# Altium PCB MB1191.PcbDoc (part 4 of 7)
Units mm, origin at the board's own origin, x right, y up, seen from the top; angles counter-clockwise.
Board outline 130 x 80 mm, 8 copper layers (Top, F2, F3, F4, F5, F6, F7, Bottom), stack 1.115 mm thick; 358 components, 347 nets, 1452 pads, 1074 vias.
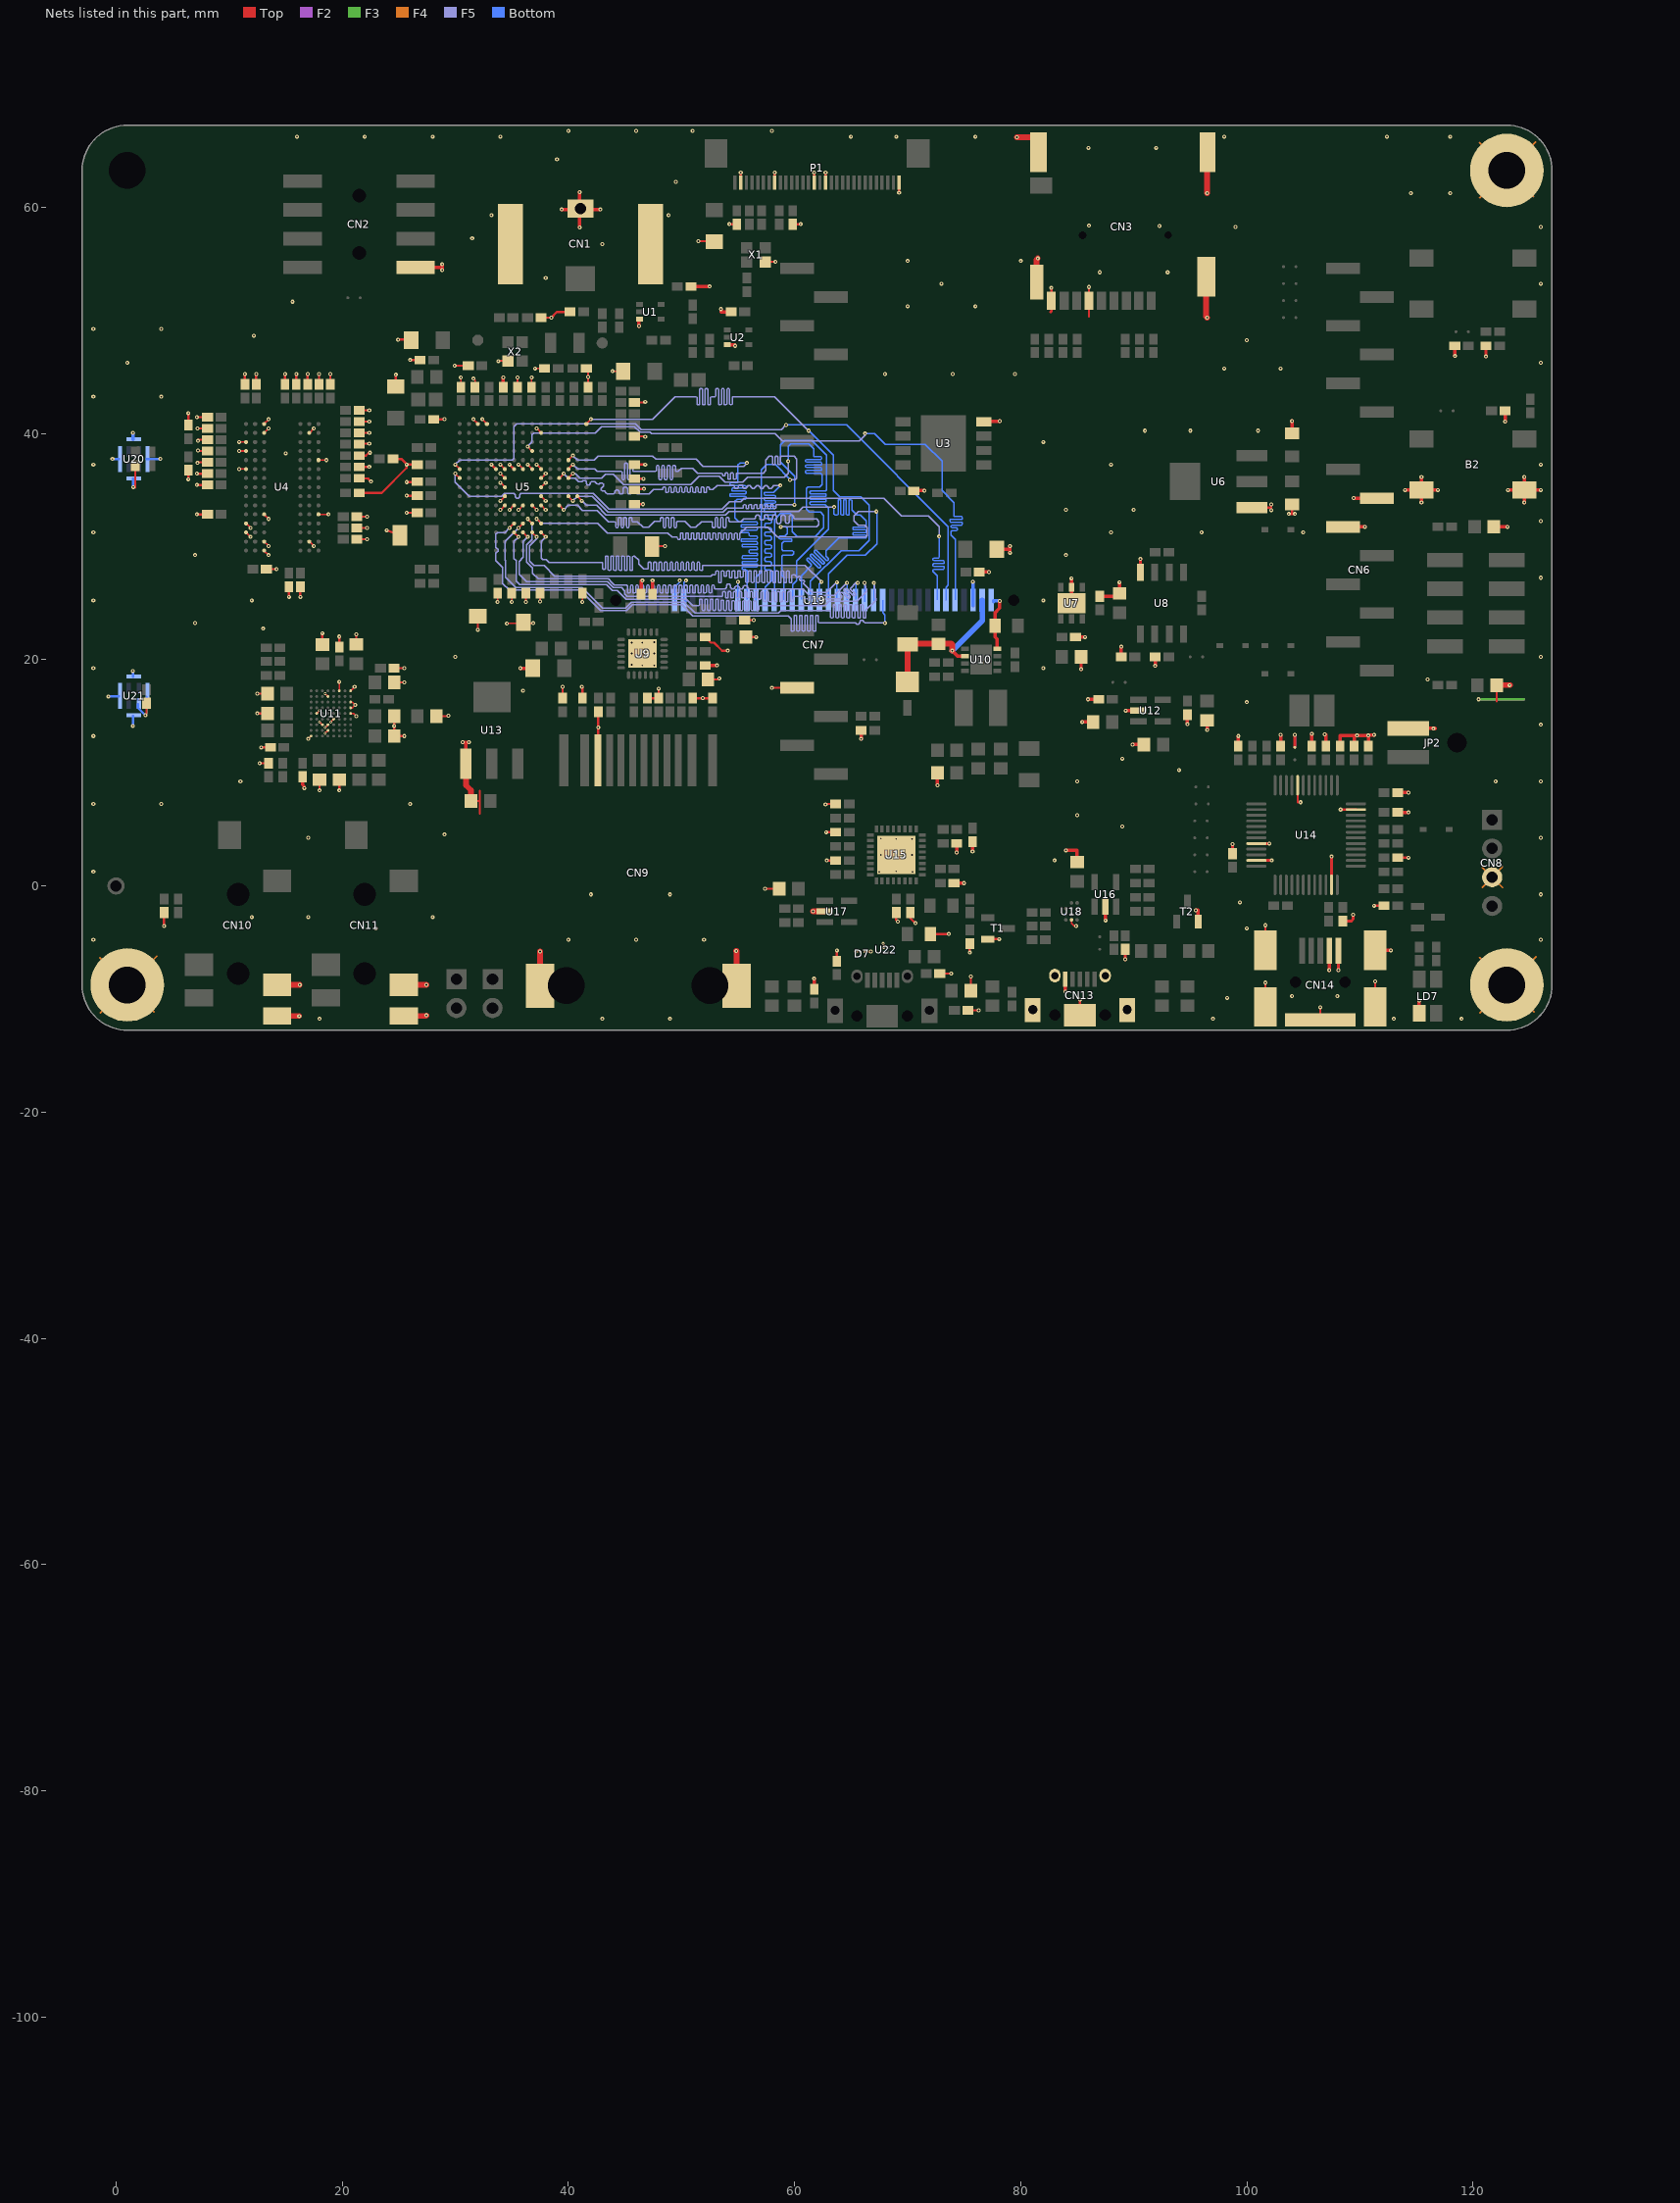
[diagram p10: the nets of this part, all layers, seen from the top]

## Via types
v1: diameter 0.35, hole 0.15, Top to Bottom, tented both sides, 1046 vias
v2: diameter 0.25, hole 0.1, Top to Bottom, tented both sides, 26 vias
v3: diameter 0.3, hole 0.1, Top to Bottom, tented both sides, 2 vias

## Nets (pads, with @x,y where several pads share a name; then routed paths per layer and width w, separated by ;. In a path a pad name is that pad's centre, name@x,y a point inside that pad or via, vN(x,y) a via of type N, cw(c..) or ccw(c..) an arc to the next point about the centre after c; other vN are vias at no path point) (continued)
GND: B2.2 B2.3 C1.2 C2.1 C3.1 C4.1 C5.1 C7.1 C8.2 C10.1 C11.1 C12.1 C13.1 C14.2 C15.1 C16.1 C17.2 C18.1 C19.1 C20.1 C21.1 C22.1 C23.1 C24.1 C25.1 C26.1 C27.1 C28.1 C29.1 C30.2 C31.1 C32.1 C33.1 C34.1 C35.1 C36.1 C37.1 C38.1 C39.1 C40.1 C41.1 C42.1 C43.1 C44.1 C45.1 C46.1 C47.1 C48.1 C49.2 C50.1 C51.1 C52.1 C53.1 C54.2 C55.1 C56.1 C57.1 C58.1 C59.1 C60.1 C61.1 C62.1 C63.2 C66.1 C67.1 C68.1 C69.1 C70.2 C71.1 C72.2 C73.2 C74.1 C75.1 C76.1 C77.2 C78.2 C79.2 C80.2 C81.1 C82.1 C83.1 C84.1 C85.1 C86.2 C88.1 C89.2 C90.1 C91.1 C92.2 C93.2 C94.1 C98.1 C99.1 C100.1 C101.1 C103.2 C104.2 C105.1 C108.1 C109.1 C110.1 C111.2 C112.1 C113.1 C114.2 C116.1 C117.2 C118.2 C119.1 C120.1 C121.1 C122.1 C123.1 CN1.1 CN2.7 CN3.6 CN3.9 CN3.11 CN3.12 CN3.13 CN3.14 CN6.6 CN6.7 CN7.7 CN8.3 CN9.10 CN9.13 CN9.14 CN10.2 CN10.3 CN11.2 CN11.3 CN13.5 CN13.6 CN14.4 CN14.5 CN14.6 D7.B1 D7.B2 JP2.1 L5.1 L7.1 LD1.2 LD2.2 LD7.1 P1.1 P1.14 P1.16 P1.23 P1.29 pad.1@1,-8.75 pad.1@123,63.25 pad.1@123,-8.75 R6.1 R19.1 R20.1 R23.2 R24.2 R25.2 R26.2 R27.2 R35.1 R36.2 R37.2 R40.2 R41.2 R43.2 R45.1 R48.2 R49.2 R50.2 R51.2 R52.2 R53.2 R55.1 R56.1 R68.1 R74.2 R79.2 R84.2 R88.1 R89.1 R94.1 R95.1 R97.1 R100.1 R101.1 R102.2 R103.1 R105.1 R106.1 R111.1 R112.1 R115.2 R121.2 R129.1 R131.2 R135.2 SB11.1 T1.2 T2.2 U1.3 U2.3 U3.4 U4.A3 U4.B3 U4.B8 U4.C1 U4.D1 U4.E9 U4.F1 U4.L3 U4.L9 U4.M1 U4.N1 U4.P3 U4.P8 U4.R3 U5.F2 U5.F6 U5.F7 U5.F8 U5.F9 U5.F10 U5.G6 U5.G10 U5.H6 U5.H10 U5.J6 U5.J10 U5.K6 U5.K7 U5.K8 U5.K9 U5.K10 U5.L6 U5.M1 U5.N1 U6.1 U7.2 U7.7 U8.4 U9.25 U11.A1 U11.A3 U11.A4 U11.A5 U11.C1 U11.D6 U11.E2 U11.E7 U11.E8 U11.F7 U11.G5 U11.H9 U12.2 U13.1 U14.8 U14.20 U14.23 U14.35 U14.47 U15.33 U16.2 U17.2 U18.D2 U19.3 U19.29 U19.35 U19.36 U20.5 U21.2 U21.5 U22.A2 X1.2 X2.2 | length 397.6
  Top w0.12: v1(10.9,36.85) U4.F1@11.5,36.85 ; U4.N1@11.5,31.25 v1(11.9,30.85) ; U4.M1@11.5,32.05 v1(11.9,31.65) ; U4.R3@13.1,29.65 v1(13.5,29.25) ; U4.P3@13.1,30.45 v1(13.5,30.05) ; U4.L3@13.1,32.85 v1(13.5,32.45) ; U4.B3@13.1,40.05 v1(13.5,40.45) ; U4.A3@13.1,40.85 v1(13.5,41.25) ; U4.P8@17.1,30.45 v1(17.5,30.05) ; v1(31.6,41.25) U5.N1@32,40.85 ; v1(32.4,41.25) U5.M1@32.8,40.85 ; v1(34,33.25) U5.K10@34.4,33.65 ; v1(34,34.05) U5.K9@34.4,34.45 ; v1(34,35.65) U5.K8@34.4,35.25 ; v1(34.575,23.2) 35.94,23.2 C63.2@36.03,23.29 36.095,23.225 v1(36.9,23.225) ; v1(34.8,33.25) U5.J10@35.2,33.65 ; v1(35.6,33.25) U5.H10@36,33.65 ; v1(35.6,37.25) U5.H6@36,36.85 ; v1(36.4,37.25) U5.G6@36.8,36.85 ; U5.G10@36.8,33.65 v1(37.2,33.25) ; v1(37.2,37.25) U5.F6@37.6,36.85 ; v1(37.2,40.45) U5.F2@37.6,40.05 ; U5.F10@37.6,33.65 v1(38,33.25) ; U5.F9@37.6,34.45 v1(38,34.05) ; U5.F8@37.6,35.25 v1(38,35.65) ; U5.F7@37.6,36.05 v1(38,36.45) ; v3(67.84,-5.099) 67.84,-5.148 67.899,-5.207 67.899,-5.449 U22.A2@67.9,-5.45 U22.A2@67.9,-5.428
  Top w0.15: v1(2.6,15.09) 2.7,15.19 C77.2@2.7,16.15 ; v1(10.9,38.45) U4.D1@11.5,38.45 ; v1(10.9,39.25) U4.C1@11.5,39.25 ; v1(17,13) U11.H9@17.25,13.25 ; U11.G5@17.75,15.25 v2(18,15.5) ; U4.L9@17.9,32.85 v1(18.8,32.85) ; v2(18,14.5) U11.F7@18.25,14.25 ; v2(18.5,13.5) U11.E8@18.75,13.75 ; v2(18.5,14) U11.E7@18.75,14.25 ; v2(18.5,17) U11.E2@18.75,16.75 ; v2(19,14.5) U11.D6@19.25,14.75 ; U11.C1@19.75,17.25 v1(19.75,18.05) ; U11.A5@20.75,15.25 21,15.25 v1(21.25,15) ; U11.A4@20.75,15.75 20.9,15.75 v1(21.15,16) 20.9,16.25 U11.A3@20.75,16.25 ; U11.A1@20.75,17.25 v1(21.1,17.6) ; C46.1@21.3,30.65 v1(22.2,30.65) ; C45.1@21.3,31.65 v1(22.2,31.65) ; C43.1@21.3,32.65 v1(22.2,32.65) ; v1(29.95,46) R20.1@31.15,46 ; C18.1@30.5,44.1 v1(30.5,44.95) ; C108.1@31.4,7.5 32.125,7.5 32.15,7.525 ; v1(31.6,44.85) 31.75,44.7 C19.1@31.75,44.1 ; v1(32,22.65) C54.2@32,23.853 ; 32.175,6.375 32.175,8.425 ; v1(33.75,25.1) C55.1@33.75,25.9 ; v1(33.8,46.4) 33.8,46.425 X2.2@34.675,46.425 ; v1(34,36.45) U5.K7@34.306,36.144 ; v1(34,37.25) 34.255,36.995 ; v1(35,25.1) C56.1@35,25.9 ; C21.1@35.5,44.1 v1(35.5,44.95) ; v1(36.25,25.1) C57.1@36.25,25.9 ; C22.1@36.75,44.1 v1(36.75,44.95) ; v1(37.05,45.75) C12.1@37.9,45.75 ; v1(37.5,25.15) C58.1@37.5,25.9 ; C5.1@37.6,50.25 v1(38.5,50.25) ; v1(41.25,25.1) C59.1@41.25,25.9 ; C13.1@41.6,45.75 41.75,45.6 v1(41.75,45) C23.1@41.75,44.1 ; v1(43.9,45.5) 44.5,45.5 44.676,45.676 44.853,45.853 C14.2@44.853,45.5 ; R45.1@45.85,39.75 46.8,39.75 v1(46.8,39.7) ; R35.1@45.85,42.75 46.75,42.75 v1(46.8,42.8) ; C48.1@47.397,30 47.397,30.05 v1(48.55,30.05) ; C83.1@48,16.6 v1(48,17.45) ; v1(51.5,57) 52.9,57 C1.2@52.9,56.953 ; U18.D2@84.5,-3 84.5,-3.3 84.75,-3.55 v1(84.9,-3.55)
  Top w0.165: U4.B8@17.1,40.05 v1(17.5,40.45) ; U4.E9@17.9,37.65 v1(18.6,37.65) ; 34.255,36.995 U5.K6@34.4,36.85 ; U5.K7@34.306,36.144 U5.K7@34.4,36.05
  Top w0.2: v1(1.53,35.26) v1@1.7,35.26 ; 1.7,35.21 v1@1.7,35.26 ; C30.2@1.7,37.15 v1@1.7,35.26 ; v1(4.25,-3.55) R121.2@4.25,-2.35 ; v1(6.4,35.95) R48.2@6.4,36.75 ; R40.2@6.4,40.75 v1(6.4,41.8) ; v1(7.15,32.85) C42.1@8.1,32.85 ; v1(7.15,35.45) R55.1@8.1,35.45 ; v1(7.15,36.45) R52.2@8.1,36.45 ; v1(7.15,41.45) R36.2@8.1,41.45 ; v1(7.2,37.4) 7.2,37.45 C31.1@8.1,37.45 ; v1(7.2,40.45) C26.1@8.1,40.45 ; v1(7.25,38.5) 7.25,38.45 R49.2@8.1,38.45 ; v1(7.25,39.35) 7.25,39.45 R43.2@8.1,39.45 ; R23.2@11.4,44.35 v1(11.4,45.25) ; R24.2@12.4,44.35 v1(12.4,45.25) ; v1(12.5,15.25) C80.2@13.4,15.25 ; v1(12.5,17) C78.2@13.4,17 ; v1(12.7,10.85) R102.2@13.5,10.85 ; v1(12.85,12.25) C92.2@13.65,12.25 ; C50.1@13.3,28 v1(14.2,28) ; R25.2@14.95,44.35 v1(14.95,45.25) ; v1(15.3,25.55) C51.1@15.3,26.45 ; C15.1@15.95,44.35 v1(15.95,45.25) ; v1(16.3,25.55) C52.1@16.3,26.45 ; C16.1@16.95,44.35 v1(16.95,45.25) ; R26.2@17.95,44.35 v1(17.95,45.25) ; v1(18,8.45) C104.2@18,9.4 ; v1(18.25,22.35) 18.25,21.35 C69.1@18.26,21.34 ; R27.2@18.95,44.35 v1(18.95,45.25) ; v1(19.75,8.45) C105.1@19.75,9.4 ; C70.2@19.75,21.1 v1(19.75,22.05) ; C71.1@21.25,21.35 v1(21.25,22.25) ; R56.1@21.5,34.75 23.5,34.75 25.7,36.95 v1(25.7,37.25) v1@25.75,37.25 ; C34.1@21.5,36.05 22.301,36 v1@22.551,35.75 ; R53.2@21.5,37.05 v1(22.4,37.05) ; R50.2@21.5,38.05 22.1,38.05 22.35,38.3 v1(22.45,38.3) ; C28.1@21.5,39.05 21.5,39.1 v1(22.4,39.1) ; C27.1@21.5,40.05 v1(22.4,40.05) ; R41.2@21.5,41.05 v1(22.4,41.05) ; R37.2@21.5,42.05 v1(22.4,42.05) ; v1(23.95,31.45) C47.1@25.103,31 ; R51.2@24.5,37.75 25.25,37.75 v1@25.75,37.25 ; C88.1@24.6,15 v1(24.6,14.15) C93.2@24.6,13.25 v1(25.5,13.25) ; C79.2@24.6,18 v1(25.5,18) ; C72.2@24.6,19.25 v1(25.5,19.25) ; C17.2@24.75,44.147 v1(24.75,45.2) ; v1(24.95,48.3) 26.103,48.3 C8.2@26.103,48.25 ; v1(25.7,33) C44.1@26.65,33 ; v1(25.7,34.5) C39.1@26.65,34.5 ; v1(25.7,35.7) 26.65,35.7 C35.1@26.65,35.75 ; v1(26,46.5) C11.1@26.9,46.5 ; C32.1@26.65,37.25 v1@25.75,37.25 ; C24.1@28.1,41.25 28.1,41.26 v1(29.06,41.26) ; C89.2@28.35,15 29.4,15 v1(29.4,15.05) ; v1(33.2,37.25) U5.L6@33.6,36.85 ; v1(34.8,37.25) U5.J6@35.2,36.85 ; v1(38.5,50.25) 39,50.75 R6.1@40.15,50.75 ; R88.1@39.5,16.6 v1(39.5,17.6) ; v1(41.2,17.6) 41.25,17.6 R89.1@41.25,16.6 ; CN9.10@42.63,11.099 v1@42.63,14 ; v1(42.65,14) v1@42.63,14 ; C81.1@42.65,15.4 42.65,14.02 v1@42.63,14 ; C40.1@45.85,33.75 v1(46.6,33.75) ; C37.1@45.85,35 45.85,35.1 v1(46.7,35.1) ; C36.1@45.85,36 v1(46.65,36) ; C33.1@45.85,37.25 v1(46.8,37.25) ; v1@46.3,49.5 U1.3@46.3,50.1 ; C82.1@47,16.6 C83.1@48,16.6 ; R94.1@51,16.6 v1(51.9,16.6) R95.1@52.75,16.6 ; C66.1@52.1,22 52.6,21.5 52.9,21.5 53.6,20.8 v1(54.1,20.8) ; R84.2@52.35,18.25 53.25,18.25 v1(53.35,18.35) ; v1(54.25,58.5) C2.1@54.9,58.5 ; P1.29@55.25,62.175 v1(55.25,63.075) ; R74.2@55.6,23.5 v1(56.4,23.5) ; C67.1@55.7,22 v1(56.6,22) ; v1(57.4,-0.25) C114.2@58.65,-0.25 ; X1.2@57.425,55.175 v1(58.325,55.175) ; v1(58,17.5) 58,17.516 CN7.7@60.24,17.516 ; P1.23@58.25,62.175 v1(58.25,63.075) ; C3.1@59.85,58.5 v1(60.55,58.5) ; P1.16@61.75,62.175 v1(61.75,63.075) ; v1(62.75,7.2) 62.75,7.25 R103.1@63.65,7.25 ; P1.14@62.75,62.175 v1(62.75,63.075) ; v1(62.8,4.75) R106.1@63.65,4.75 ; v1(62.85,2.25) R111.1@63.65,2.25 ; C120.1@63.75,-6.65 v1(63.75,-5.7) ; v1(65.4,-5.8) D7.B2@65.8,-5.8 ; D7.B1@66.2,-5.8 v1(66.75,-5.8) ; v1(67.65,2.75) v1(69,2.75) ; C116.1@69,-2.35 69,-3 v1(69.15,-3.15) ; v1(69,1.3) v1(69,2.75) ; v1(69.25,61.275) P1.1@69.25,62.175 ; C117.2@70.25,-2.35 70.25,-2.85 v1(70.7,-3.3) ; v1(70.4,2.75) v1(69,2.75) ; C119.1@72.397,-4.25 v1(73.65,-4.25) ; C121.1@72.85,-7.75 v1(73.85,-7.75) ; C123.1@75.35,-11 v1(76.3,-11) ; v1(75.5,-5.9) R131.2@75.5,-5.1 ; L7.1@75.6,-9.25 v1(75.6,-8) ; T1.2@77.1,-4.7 v1(78.1,-4.7) ; 82.675,50.75 82.65,50.75 82.75,50.85 82.725,50.875 v1(82.725,52.875) ; CN13.6@85.25,-11.45 v1(85.25,-10.04) ; 86.05,50.35 CN3.6@86.05,51.725 86.093,51.768 86.05,51.81 v1(86.05,52.95) ; U6.1@100.45,33.45 102.16,33.45 ; v1(101.65,-8.55) 101.653,-8.55 CN14.6@101.653,-10.7 ; v1(101.65,-3.48) 101.653,-3.48 CN14.6@101.653,-5.7 ; v1(102.16,33.22) 102.16,33.45 ; v1@102.16,33.77 v1(102.16,33.73) 102.16,33.45 ; v1(103.71,32.89) 103.74,32.86 104,32.86 ; C41.1@104,33.734 104,32.86 ; v1(104.26,32.89) 104.26,32.87 104.25,32.86 104,32.86 ; U14.8@104.5,8.9 104.5,7.4 v1(104.75,7.4) ; CN14.6@106.5,-11.85 v1(106.5,-10.72) ; v1(111.35,-8.44) 111.353,-8.44 CN14.6@111.353,-10.7 ; 122.1,16.3 LD2.2@122.1,17.75
  Top w0.25: C113.1@98.75,2.85 v1(98.75,3.7) ; U14.23@100.85,2.25 v1(102.2,2.25) ; U14.20@100.85,3.75 v1(102,3.75) ; SB11.1@104.25,12.25 v1(104.25,13.35) ; U14.35@107.5,0.1 v1(107.5,2.6) ; v1(108.3,6.75) U14.47@109.65,6.75 ; C118.2@108.5,-3.1 109.25,-3.1 109.4,-2.95 v1(109.4,-2.55) ; v1(111.25,-1.75) R129.1@112.15,-1.75 ; R112.1@113.35,2.5 v1(114.3,2.5)
  Top w0.3: C103.2@16.5,9.65 16.5,8.949 16.65,8.799 v1(16.65,8.65) ; CN2.7@26.5,54.69 28.85,54.69 ; v1(28.85,54.45) 28.85,54.69 ; v1(28.85,54.95) 28.85,54.69 ; v1(30.65,12.7) 30.95,12.7 ; U13.1@30.95,10.8 30.95,12.7 ; v1(31.2,12.7) 30.95,12.7 ; C20.1@34.25,44.1 v1(34.25,44.95) ; v1(35.75,19.25) C73.2@36.853,19.25 ; v1(39.42,59.8) CN1.1@41,59.8 ; v1(41,58.22) CN1.1@41,59.8 ; v1(41,61.34) CN1.1@41,59.8 ; v1(42.83,59.8) CN1.1@41,59.8 ; v1(46.25,49.5) U1.3@46.25,49.95 ; R68.1@46.436,25.786 46.436,27 v1(46.55,27) ; C60.1@47.45,25.8 v1(47.45,27) ; C4.1@50.85,53 v1(52.5,53) ; C74.1@52.1,19.5 v1(53.15,19.5) ; v1(53.5,51) 53.5,50.75 C7.1@54.4,50.75 ; U2.3@54.05,47.85 54.75,47.85 v1(54.75,47.75) ; C122.1@61.75,-9.15 v1(61.75,-8.2) ; v1(65.9,13) C90.1@65.9,13.75 ; C38.1@70.547,34.924 70.547,34.95 v1(71.5,34.95) ; v1(72.65,8.9) L5.1@72.65,10 ; R115.2@74.1,0.25 v1(75,0.25) ; v1(74.35,2.95) C110.1@74.35,3.75 ; v1(75.75,3.05) C111.2@75.75,3.9 ; C53.1@76.35,27.75 v1(77.2,27.75) ; U3.4@77.122,41.079 78.15,41.079 v1(78.15,41.1) ; C49.2@77.897,29.75 79.05,29.75 ; v1(79.05,29.45) 79.05,29.75 ; v1(79.05,30.05) 79.05,29.75 ; v1(83.95,-9.35) CN13.5@83.95,-8.25 ; v1(84,3.15) 85,3.15 C112.1@85,2.1 ; U7.7@84.5,25 U7.2@84.5,26.4 v1(84.5,27.2) ; C68.1@84.85,22 v1(85.7,22) ; v1(85.35,19.15) C75.1@85.35,20.25 ; v1(85.45,14.5) C91.1@86.4,14.5 ; v1(85.95,16.5) C84.1@86.9,16.5 ; C61.1@87,25.6 88.75,25.6 C62.1@88.75,25.85 v1(88.75,26.85) ; v1(87.5,-3.05) U16.2@87.5,-1.825 ; R79.2@88.9,20.25 v1(88.9,21.15) ; v1(89.25,-6.5) R135.2@89.25,-5.6 ; v1(89.3,15.5) U12.2@90.425,15.5 ; v1(89.9,12.5) C94.1@90.9,12.5 ; U8.4@90.595,27.73 90.595,28.9 v1(90.6,28.9) ; v1(91.9,19.45) C76.1@91.9,20.25 ; v1(94.75,14.3) C85.1@94.75,15.15 ; v1(95.5,-2.15) 95.7,-2.15 T2.2@95.7,-3.15 ; v1(96.5,13.8) C86.2@96.5,14.65 ; R97.1@99.25,12.35 v1(99.25,13.25) ; C98.1@103,12.35 v1(103,13.35) ; C29.1@104,40.016 v1(104,41.1) ; C99.1@105.75,12.35 v1(105.75,13.45) ; v1(106.9,13.4) 107,13.4 C100.1@107,12.35 ; v1(107.3,-7.45) 107.303,-7.45 CN14.4@107.303,-5.75 ; v1(108.1,-7.45) 108.103,-7.45 CN14.5@108.103,-5.75 ; R100.1@108.25,12.35 108.25,13.3 109.5,13.3 ; CN6.6@108.5,31.74 110.45,31.74 v1(110.45,31.75) ; v1(109.45,34.3) 109.45,34.28 CN6.7@111.5,34.28 ; R101.1@109.5,12.35 109.5,13.3 ; C101.1@110.75,12.35 v1(110.75,13.3) ; v1(111.25,13.35) 110.75,13.35 v1(110.75,13.3) ; CN14.6@111.353,-5.7 v1(112.75,-5.7) ; R105.1@113.35,6.5 v1(114.3,6.5) ; C109.1@113.35,8.25 v1(114.3,8.25) ; v1(114,35) B2.2@115.45,35 ; JP2.1@114.3,13.925 116.66,13.925 116.66,13.905 v1(116.5,13.905) ; LD7.1@115.25,-11.25 v1(115.25,-10.15) ; v1(115.45,33.9) B2.2@115.45,35 ; v1(115.45,36.15) B2.2@115.45,35 ; v1(116.9,35) B2.2@115.45,35 ; v1(118.4,46.85) C10.1@118.4,47.75 ; v1(121.15,46.8) R19.1@121.15,47.75 ; LD1.2@121.85,31.75 v1(123.05,31.75) ; v1(122.85,41.05) C25.1@122.85,42 ; v1(123.1,35) B2.3@124.55,35 ; v1(124.55,33.9) B2.3@124.55,35 ; v1(124.55,36.15) B2.3@124.55,35 ; v1(126,35) B2.3@124.55,35 ; 109.5,13.3 v1(109.75,13.3) v1(110.75,13.3)
  Top w0.5: CN10.2@14.25,-11.5 v1(16.2,-11.5) ; CN10.3@14.25,-8.75 v1(16.25,-8.75) ; CN11.2@25.45,-11.5 27.4,-11.5 v1(27.45,-11.45) ; CN11.3@25.45,-8.75 v1(27.45,-8.75) ; U13.1@30.95,10.8 30.95,8.9 31.4,8.45 C108.1@31.4,7.5 ; CN9.14@37.499,-8.814 v1(37.5,-5.8) ; v1(54.85,-5.75) 54.873,-5.75 CN9.13@54.873,-8.814 ; v1(61.65,-2.25) U17.2@62.675,-2.25 ; v1(79.675,66.2) 81.4,66.2 81.55,66.05 CN3.11@81.55,63.9 ; CN3.14@81.4,52.4 81.4,55.35 v1(81.525,55.475) ; CN3.13@96.4,52.9 96.4,50.35 v1(96.5,50.25) ; v1(96.5,61.25) CN3.12@96.5,63.9 ; LD2.2@122.1,17.75 v1(123.25,17.75) v1@123.3,17.75
  F2 w0.2: 104.29,12.31 v1@104.29,13.35
  F3 w0.2: v1(120.5,16.5) 124.5,16.5
  F4 w0.15: -1.43,-6.345 0.988,-8.762 pad.1@1.025,-8.8 ; -1.405,-11.23 pad.1@1.025,-8.8 ; 3.38,-11.155 pad.1@1.025,-8.8 ; 3.612,-6.212 pad.1@1.025,-8.8 ; 120.57,65.73 pad.1@123.025,63.275 ; 120.595,-6.345 pad.1@123,-8.75 pad.1@123.05,-8.8 ; 120.595,60.845 pad.1@123,63.25 pad.1@123.025,63.275 ; 120.62,-11.23 pad.1@123.05,-8.8 ; 120.825,-0.15 CN8.3@121.725,0.75 ; 120.825,1.65 CN8.3@121.7,0.775 ; CN8.3@121.7,0.85 CN8.3@121.7,0.775 ; 122.6,1.75 122.6,1.67 CN8.3@121.703,0.773 ; 122.625,-0.15 CN8.3@121.725,0.75 ; 125.38,60.92 pad.1@123.025,63.275 ; 125.405,-11.155 pad.1@123.05,-8.8 ; 125.538,65.788 pad.1@123.025,63.275 ; 125.588,-6.262 pad.1@123.05,-8.8 ; CN8.3@121.7,0.775 CN8.3@121.702,0.773 ; CN8.3@121.7,0.775 CN8.3@121.7,0.77 CN8.3@121.703,0.773 ; CN8.3@121.703,0.773 CN8.3@121.725,0.75
  F4 w0.2: v1(120.5,16.5) 124.5,16.5
  Bottom w0.15: v1(-0.31,37.74) v1@-0.31,37.75 ; v1(2.6,15.09) 2.725,15.215 U21.5@2.725,16.75 ; U19.36@49.454,25.144 49.454,26.454 49.85,26.85 v1(49.85,27) ; v1(50.4,27) 50.225,26.825 50.225,25.323 U19.35@50.404,25.144 ; U19.29@55,25.348 v1(55,26.875)
  Bottom w0.2: v1(-0.66,16.75) U21.5@0.275,16.75 ; v1@-0.31,37.75 U20.5@0.275,37.75 ; v1(1.49,19.01) 1.5,19.01 U21.5@1.5,18.475 ; v1(1.5,14.15) U21.5@1.5,15.025 ; v1@1.5,35.21 v1@1.5,35.26 ; U20.5@1.5,36.025 v1@1.5,35.26 ; v1@1.7,35.26 v1(1.53,35.26) v1@1.5,35.26 ; U21.2@1.95,16.075 1.95,15.75 2.6,15.1 v1(2.6,15.09) ; U20.5@2.725,37.75 U20.5@2.8,37.75 v1(3.93,37.75) ; v1(46.55,19.5) v1@46.572,19.5 ; v1(46.55,21.5) v1@46.572,21.5 ; v1(70.45,1.25) v1@70.475,1.275 ; v1(120.5,16.5) 124.5,16.5
  Bottom w0.3: U20.5@1.5,39.475 v1(1.5,40.05) ; U19.3@75.775,24.775 v1(75.775,26.9)
  other v1: 18,-11.75 43,-11.75 49,-11.75 97,-11.75 113,-11.75 119,-11.75 98.26,-9.895 104,-9.75 108,-9.75 -2,-4.75 40,-4.75 46,-4.75 52,-4.75 126,-4.75 23,-3.75 100,-3.75 12,-2.75 17,-2.75 28,-2.75 99.4,-1.45 42,-0.75 49,-0.75 126,-0.75 -2,1.25 67.5,1.25 83,2.25 69,4.15 70.4,4.15 67.65,4.2 17,4.25 126,4.25 29.05,4.55 89,5.25 85,6.25 -2,7.25 4,7.25 26,7.25 11,9.25 85,9.25 122,9.25 126,9.25 94,10.25 89,11.25 -2,13.25 126,14.25 100,16.25 36,17.25 116,18.25 -2,19.25 82,19.25 47.6,19.5 45.6,19.55 30,20.25 126,20.25 45.6,20.55 46.572,20.539 47.6,20.55 45.6,21.5 47.6,21.55 13,22.75 7,23.25 -2,25.25 12,25.25 82,25.25 126,27.25 7,29.25 84,29.25 -2,31.25 88,31.25 96,31.25 105,31.25 126,32.25 84,33.25 90,33.25 22.55,35.75 -2,37.25 88,37.25 126,37.25 15,38.25 82,39.25 91,40.25 95,40.25 101,40.25 -2,43.25 4,43.25 68,45.25 74,45.25 79.5,45.25 98,45.75 103,45.75 1,46.25 126,46.25 100,48.25 12.2,48.65 -2,49.25 4,49.25 70,51.25 76,51.25 15.6,51.65 73,53.25 126,53.25 38,53.75 87,54.25 93,54.25 70,55.25 80,55.25 43,56.75 31.5,57.25 99,58.25 126,58.25 92.275,58.35 86.05,58.375 33.2,59.3 48.875,59.3 114.5,61.25 118,61.25 49.5,62.25 39,64.25 86,65.25 92,65.25 16,66.25 22,66.25 28,66.25 34,66.25 65,66.25 69,66.25 76,66.25 98,66.25 112.4,66.25 118,66.25 40,66.75 46,66.75 51,66.75 58,66.75
LCD_B0: U5.A1 U19.21 | length 58.3
  Top w0.12: U5.A1@41.6,40.85 v1(42,41.25)
  F5 w0.12: v1(42,41.25) 47.46,41.25 49.46,43.25 51.32,43.25 51.38,43.19 51.38,42.59 51.44,42.53 51.56,42.53 51.62,42.59 51.62,43.91 51.68,43.97 51.8,43.97 51.86,43.91 51.86,42.59 51.92,42.53 52.04,42.53 52.1,42.59 52.1,43.91 52.16,43.97 52.28,43.97 52.34,43.91 52.34,42.59 52.4,42.53 52.52,42.53 52.58,42.59 52.58,43.19 52.64,43.25 53,43.25 53.06,43.31 53.06,43.91 53.12,43.97 53.24,43.97 53.3,43.91 53.3,42.59 53.36,42.53 53.48,42.53 53.54,42.59 53.54,43.91 53.6,43.97 53.72,43.97 53.78,43.91 53.78,42.59 53.84,42.53 53.96,42.53 54.02,42.59 54.02,43.91 54.08,43.97 54.2,43.97 54.26,43.91 54.26,42.59 54.32,42.53 54.44,42.53 54.5,42.59 54.5,43.19 54.56,43.25 58.25,43.25 v1(61.25,40.25)
  Bottom w0.12: v1(61.25,40.25) 61.28,40.25 63.43,38.1 63.43,34.97 64,34.4 65.86,34.4 66.6,33.66 66.6,30.56 65.69,29.65 64.12,29.65 61.425,26.955 U19.21@61.425,25.15
LCD_B1: U5.B9 U19.22 | length 57.9
  Top w0.12: U5.B9@40.8,34.45 v1(41.2,34.05)
  F5 w0.12: v1(41.2,34.05) 41.6,33.65 42.5,33.65 43.35,32.8 53.9,32.8 54.19,33.09 60.35,33.09 60.76,33.5 v1(63.5,33.5)
  Bottom w0.12: U19.22@60.625,25.323 60.625,27.435 61.51,28.32 61.51,28.405 61.086,28.829 61.086,28.914 61.171,28.999 61.256,28.999 62.15,28.104 62.235,28.104 62.32,28.189 62.32,28.274 61.425,29.169 61.425,29.254 61.51,29.338 61.595,29.338 62.49,28.444 62.574,28.444 62.659,28.529 62.659,28.614 61.765,29.508 61.765,29.593 61.85,29.678 61.934,29.678 62.829,28.783 62.914,28.783 62.999,28.868 62.999,28.953 62.79,29.162 62.79,29.63 63.92,30.76 66.3,30.76 66.36,30.82 66.36,30.94 66.3,31 65.22,31 65.16,31.06 65.16,31.18 65.22,31.24 66.3,31.24 66.36,31.3 66.36,31.42 66.3,31.48 65.22,31.48 65.16,31.54 65.16,31.66 65.22,31.72 66.3,31.72 66.36,31.78 66.36,32.27 65.84,32.79 65.52,32.79 65.07,33.24 65.07,34.1 65.01,34.16 64.89,34.16 64.83,34.1 64.83,32.84 64.77,32.78 64.65,32.78 64.59,32.84 64.59,34.1 64.53,34.16 64.41,34.16 64.35,34.1 64.35,32.84 64.29,32.78 64.17,32.78 64.11,32.84 64.11,34.1 64.05,34.16 63.93,34.16 63.87,34.1 63.87,32.84 63.81,32.78 63.62,32.78 63.5,32.9 v1(63.5,33.5)
LCD_B2: U5.C9 U19.23 | length 57.9
  Top w0.12: U5.C9@40,34.45 v1(40.4,34.05)
  F5 w0.12: v1(40.4,34.05) 40.8,34.45 42.1,34.45 43.5,33.05 53.7,33.05 54.05,33.4 55.42,33.4 55.48,33.46 55.48,33.65 55.54,33.71 55.66,33.71 55.72,33.65 55.72,33.4 55.78,33.34 55.9,33.34 55.96,33.4 55.96,33.65 56.02,33.71 56.14,33.71 56.2,33.65 56.2,33.4 56.26,33.34 56.38,33.34 56.44,33.4 56.44,33.65 56.5,33.71 56.62,33.71 56.68,33.65 56.68,33.4 56.74,33.34 56.86,33.34 56.92,33.4 56.92,33.65 56.98,33.71 57.1,33.71 57.16,33.65 57.16,33.4 57.22,33.34 57.34,33.34 57.4,33.4 57.4,33.65 57.46,33.71 57.58,33.71 57.64,33.65 57.64,33.4 57.7,33.34 57.82,33.34 57.88,33.4 57.88,33.65 57.94,33.71 58.06,33.71 58.12,33.65 58.12,33.4 58.18,33.34 58.3,33.34 58.36,33.4 58.36,33.65 58.42,33.71 60,33.71 v1(60,33.7)